# Altium PCB DIOT_Backplane.pcbdoc (part 1 of 11) (continued)
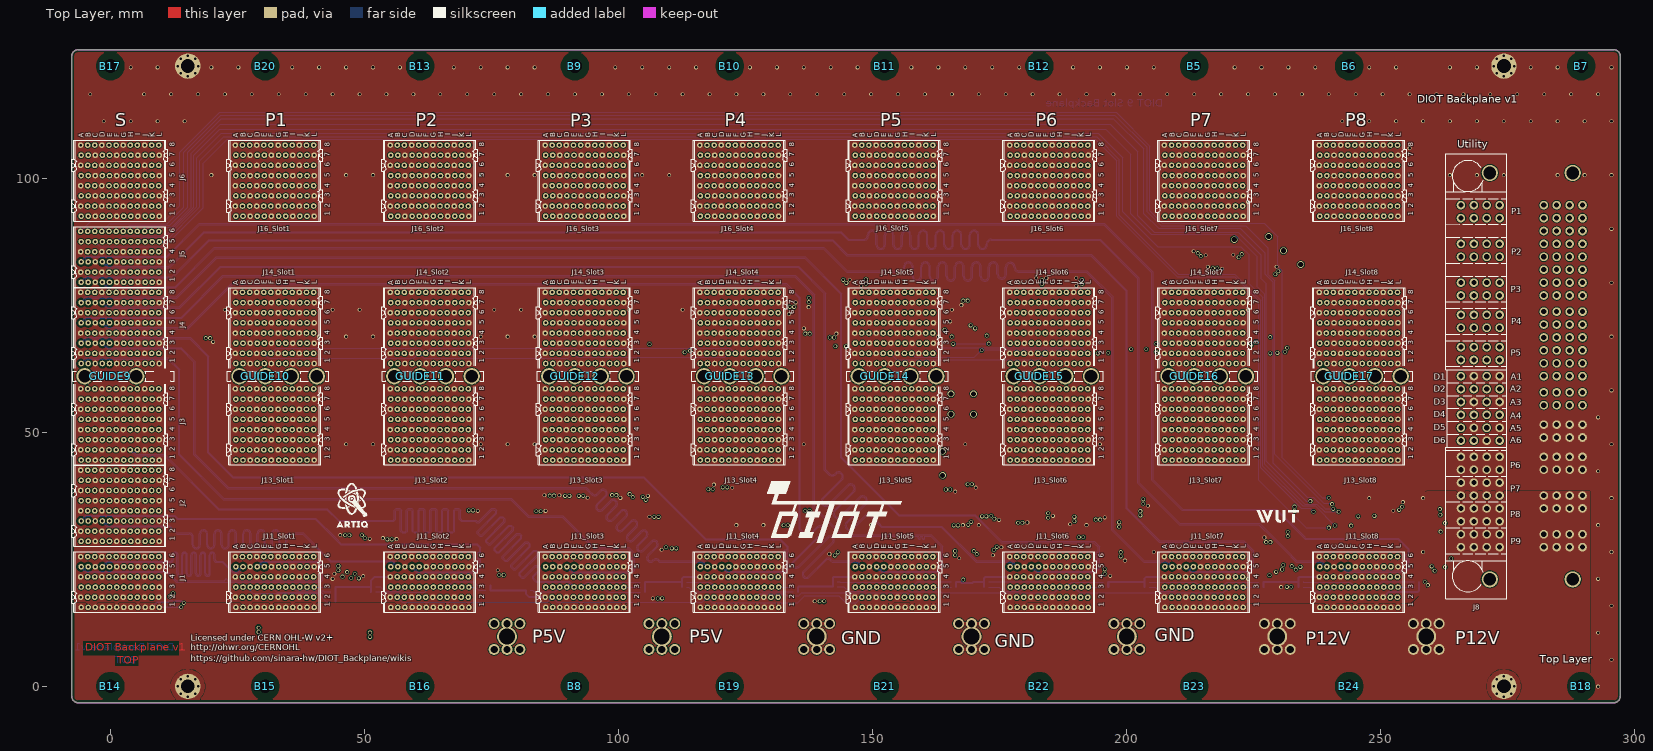
[diagram p0: Top Layer view]
## Classes and differential pairs (continued)
pad class ViaUnderSMD: J23_Slot1-A1 J23_Slot1-A2 J23_Slot1-A3 J23_Slot1-A4 J23_Slot1-A5 J23_Slot1-A6 J23_Slot1-A7 J23_Slot1-A8 J23_Slot1-B1 J23_Slot1-B2 J23_Slot1-B3 J23_Slot1-B4 J23_Slot1-B5 J23_Slot1-B6 J23_Slot1-B7 J23_Slot1-B8 J23_Slot1-C1 J23_Slot1-C2 J23_Slot1-C3 J23_Slot1-C4 J23_Slot1-C5 J23_Slot1-C6 J23_Slot1-C7 J23_Slot1-C8 J23_Slot1-D1 J23_Slot1-D2 J23_Slot1-D3 J23_Slot1-D4 J23_Slot1-D5 J23_Slot1-D6 J23_Slot1-D7 J23_Slot1-D8 J23_Slot1-E1 J23_Slot1-E2 J23_Slot1-E3 J23_Slot1-E4 J23_Slot1-E5 J23_Slot1-E6 J23_Slot1-E7 J23_Slot1-E8 J23_Slot1-F1 J23_Slot1-F2 J23_Slot1-F3 J23_Slot1-F4 J23_Slot1-F5 J23_Slot1-F6 J23_Slot1-F7 J23_Slot1-F8 J23_Slot1-G1 J23_Slot1-G2 J23_Slot1-G3 J23_Slot1-G4 J23_Slot1-G5 J23_Slot1-G6 J23_Slot1-G7 J23_Slot1-G8 J23_Slot1-H1 J23_Slot1-H2 J23_Slot1-H3 J23_Slot1-H4 J23_Slot1-H5 J23_Slot1-H6 J23_Slot1-H7 J23_Slot1-H8 J23_Slot1-I1 J23_Slot1-I2 J23_Slot1-I3 J23_Slot1-I4 J23_Slot1-I5 J23_Slot1-I6 J23_Slot1-I7 J23_Slot1-I8 J23_Slot1-J1 J23_Slot1-J2 J23_Slot1-J3 J23_Slot1-J4 J23_Slot1-J5 J23_Slot1-J6 J23_Slot1-J7 J23_Slot1-J8 J23_Slot1-K1 J23_Slot1-K2 J23_Slot1-K3 J23_Slot1-K4 J23_Slot1-K5 J23_Slot1-K6 J23_Slot1-K7 J23_Slot1-K8 J23_Slot1-L1 J23_Slot1-L2 J23_Slot1-L3 J23_Slot1-L4 J23_Slot1-L5 J23_Slot1-L6 J23_Slot1-L7 J23_Slot1-L8 J23_Slot2-A1 J23_Slot2-A2 J23_Slot2-A3 J23_Slot2-A4 J23_Slot2-A5 J23_Slot2-A6 J23_Slot2-A7 J23_Slot2-A8 J23_Slot2-B1 J23_Slot2-B2 J23_Slot2-B3 J23_Slot2-B4 J23_Slot2-B5 J23_Slot2-B6 J23_Slot2-B7 J23_Slot2-B8 J23_Slot2-C1 J23_Slot2-C2 J23_Slot2-C3 J23_Slot2-C4 J23_Slot2-C5 J23_Slot2-C6 J23_Slot2-C7 J23_Slot2-C8 J23_Slot2-D1 J23_Slot2-D2 J23_Slot2-D3 J23_Slot2-D4 J23_Slot2-D5 J23_Slot2-D6 J23_Slot2-D7 J23_Slot2-D8 J23_Slot2-E1 J23_Slot2-E2 J23_Slot2-E3 J23_Slot2-E4 J23_Slot2-E5 J23_Slot2-E6 J23_Slot2-E7 J23_Slot2-E8 J23_Slot2-F1 J23_Slot2-F2 J23_Slot2-F3 J23_Slot2-F4 J23_Slot2-F5 J23_Slot2-F6 J23_Slot2-F7 J23_Slot2-F8 J23_Slot2-G1 J23_Slot2-G2 J23_Slot2-G3 J23_Slot2-G4 J23_Slot2-G5 J23_Slot2-G6 J23_Slot2-G7 J23_Slot2-G8 J23_Slot2-H1 J23_Slot2-H2 J23_Slot2-H3 J23_Slot2-H4 J23_Slot2-H5 J23_Slot2-H6 J23_Slot2-H7 J23_Slot2-H8 J23_Slot2-I1 J23_Slot2-I2 J23_Slot2-I3 J23_Slot2-I4 J23_Slot2-I5 J23_Slot2-I6 J23_Slot2-I7 J23_Slot2-I8 J23_Slot2-J1 J23_Slot2-J2 J23_Slot2-J3 J23_Slot2-J4 J23_Slot2-J5 J23_Slot2-J6 J23_Slot2-J7 J23_Slot2-J8 J23_Slot2-K1 J23_Slot2-K2 J23_Slot2-K3 J23_Slot2-K4 J23_Slot2-K5 J23_Slot2-K6 J23_Slot2-K7 J23_Slot2-K8 J23_Slot2-L1 J23_Slot2-L2 J23_Slot2-L3 J23_Slot2-L4 J23_Slot2-L5 J23_Slot2-L6 J23_Slot2-L7 J23_Slot2-L8 J23_Slot3-A1 J23_Slot3-A2 J23_Slot3-A3 J23_Slot3-A4 J23_Slot3-A5 J23_Slot3-A6 J23_Slot3-A7 J23_Slot3-A8 J23_Slot3-B1 J23_Slot3-B2 J23_Slot3-B3 J23_Slot3-B4 J23_Slot3-B5 J23_Slot3-B6 J23_Slot3-B7 J23_Slot3-B8 J23_Slot3-C1 J23_Slot3-C2 J23_Slot3-C3 J23_Slot3-C4 J23_Slot3-C5 J23_Slot3-C6 J23_Slot3-C7 J23_Slot3-C8 J23_Slot3-D1 J23_Slot3-D2 J23_Slot3-D3 J23_Slot3-D4 J23_Slot3-D5 J23_Slot3-D6 J23_Slot3-D7 J23_Slot3-D8 J23_Slot3-E1 J23_Slot3-E2 J23_Slot3-E3 J23_Slot3-E4 J23_Slot3-E5 J23_Slot3-E6 J23_Slot3-E7 J23_Slot3-E8 J23_Slot3-F1 J23_Slot3-F2 J23_Slot3-F3 J23_Slot3-F4 J23_Slot3-F5 J23_Slot3-F6 J23_Slot3-F7 J23_Slot3-F8 J23_Slot3-G1 J23_Slot3-G2 J23_Slot3-G3 J23_Slot3-G4 J23_Slot3-G5 J23_Slot3-G6 J23_Slot3-G7 J23_Slot3-G8 J23_Slot3-H1 J23_Slot3-H2 J23_Slot3-H3 J23_Slot3-H4 J23_Slot3-H5 J23_Slot3-H6 J23_Slot3-H7 J23_Slot3-H8 J23_Slot3-I1 J23_Slot3-I2 J23_Slot3-I3 J23_Slot3-I4 J23_Slot3-I5 J23_Slot3-I6 J23_Slot3-I7 J23_Slot3-I8 J23_Slot3-J1 J23_Slot3-J2 J23_Slot3-J3 J23_Slot3-J4 J23_Slot3-J5 J23_Slot3-J6 J23_Slot3-J7 J23_Slot3-J8 J23_Slot3-K1 J23_Slot3-K2 J23_Slot3-K3 J23_Slot3-K4 J23_Slot3-K5 J23_Slot3-K6 J23_Slot3-K7 J23_Slot3-K8 J23_Slot3-L1 J23_Slot3-L2 J23_Slot3-L3 J23_Slot3-L4 J23_Slot3-L5 J23_Slot3-L6 J23_Slot3-L7 J23_Slot3-L8 J23_Slot4-A1 J23_Slot4-A2 J23_Slot4-A3 J23_Slot4-A4 J23_Slot4-A5 J23_Slot4-A6 J23_Slot4-A7 J23_Slot4-A8 J23_Slot4-B1 J23_Slot4-B2 J23_Slot4-B3 J23_Slot4-B4 J23_Slot4-B5 J23_Slot4-B6 J23_Slot4-B7 J23_Slot4-B8 J23_Slot4-C1 J23_Slot4-C2 J23_Slot4-C3 J23_Slot4-C4 J23_Slot4-C5 J23_Slot4-C6 J23_Slot4-C7 J23_Slot4-C8 J23_Slot4-D1 J23_Slot4-D2 J23_Slot4-D3 J23_Slot4-D4 J23_Slot4-D5 J23_Slot4-D6 J23_Slot4-D7 J23_Slot4-D8 J23_Slot4-E1 J23_Slot4-E2 J23_Slot4-E3 J23_Slot4-E4 J23_Slot4-E5 J23_Slot4-E6 J23_Slot4-E7 J23_Slot4-E8 J23_Slot4-F1 J23_Slot4-F2 J23_Slot4-F3 J23_Slot4-F4 J23_Slot4-F5 J23_Slot4-F6 J23_Slot4-F7 J23_Slot4-F8 J23_Slot4-G1 J23_Slot4-G2 J23_Slot4-G3 J23_Slot4-G4 J23_Slot4-G5 J23_Slot4-G6 J23_Slot4-G7 J23_Slot4-G8 J23_Slot4-H1 J23_Slot4-H2 J23_Slot4-H3 J23_Slot4-H4 J23_Slot4-H5 J23_Slot4-H6 J23_Slot4-H7 J23_Slot4-H8 J23_Slot4-I1 J23_Slot4-I2 J23_Slot4-I3 J23_Slot4-I4 J23_Slot4-I5 J23_Slot4-I6 J23_Slot4-I7 J23_Slot4-I8 J23_Slot4-J1 J23_Slot4-J2 J23_Slot4-J3 J23_Slot4-J4 J23_Slot4-J5 J23_Slot4-J6 J23_Slot4-J7 J23_Slot4-J8 J23_Slot4-K1 J23_Slot4-K2 J23_Slot4-K3 J23_Slot4-K4 J23_Slot4-K5 J23_Slot4-K6 J23_Slot4-K7 J23_Slot4-K8 J23_Slot4-L1 J23_Slot4-L2 J23_Slot4-L3 J23_Slot4-L4 J23_Slot4-L5 J23_Slot4-L6 J23_Slot4-L7 J23_Slot4-L8 J23_Slot5-A1 J23_Slot5-A2 J23_Slot5-A3 J23_Slot5-A4 J23_Slot5-A5 J23_Slot5-A6 J23_Slot5-A7 J23_Slot5-A8 J23_Slot5-B1 J23_Slot5-B2 J23_Slot5-B3 J23_Slot5-B4 J23_Slot5-B5 J23_Slot5-B6 J23_Slot5-B7 J23_Slot5-B8 J23_Slot5-C1 J23_Slot5-C2 J23_Slot5-C3 J23_Slot5-C4 J23_Slot5-C5 J23_Slot5-C6 J23_Slot5-C7 J23_Slot5-C8 J23_Slot5-D1 J23_Slot5-D2 J23_Slot5-D3 J23_Slot5-D4 J23_Slot5-D5 J23_Slot5-D6 J23_Slot5-D7 J23_Slot5-D8 J23_Slot5-E1 J23_Slot5-E2 J23_Slot5-E3 J23_Slot5-E4 J23_Slot5-E5 J23_Slot5-E6 J23_Slot5-E7 J23_Slot5-E8 J23_Slot5-F1 J23_Slot5-F2 J23_Slot5-F3 J23_Slot5-F4 J23_Slot5-F5 J23_Slot5-F6 J23_Slot5-F7 J23_Slot5-F8 J23_Slot5-G1 J23_Slot5-G2 J23_Slot5-G3 J23_Slot5-G4 J23_Slot5-G5 J23_Slot5-G6 J23_Slot5-G7 J23_Slot5-G8 J23_Slot5-H1 J23_Slot5-H2 J23_Slot5-H3 J23_Slot5-H4 J23_Slot5-H5 J23_Slot5-H6 J23_Slot5-H7 J23_Slot5-H8 J23_Slot5-I1 J23_Slot5-I2 J23_Slot5-I3 J23_Slot5-I4 J23_Slot5-I5 J23_Slot5-I6 J23_Slot5-I7 J23_Slot5-I8 J23_Slot5-J1 J23_Slot5-J2 J23_Slot5-J3 J23_Slot5-J4 J23_Slot5-J5 J23_Slot5-J6 J23_Slot5-J7 J23_Slot5-J8 J23_Slot5-K1 J23_Slot5-K2 J23_Slot5-K3 J23_Slot5-K4 J23_Slot5-K5 J23_Slot5-K6 J23_Slot5-K7 J23_Slot5-K8 J23_Slot5-L1 J23_Slot5-L2 J23_Slot5-L3 J23_Slot5-L4 J23_Slot5-L5 J23_Slot5-L6 J23_Slot5-L7 J23_Slot5-L8 J23_Slot6-A1 J23_Slot6-A2 J23_Slot6-A3 J23_Slot6-A4 J23_Slot6-A5 J23_Slot6-A6 J23_Slot6-A7 J23_Slot6-A8 J23_Slot6-B1 J23_Slot6-B2 J23_Slot6-B3 J23_Slot6-B4 J23_Slot6-B5 J23_Slot6-B6 J23_Slot6-B7 J23_Slot6-B8 J23_Slot6-C1 J23_Slot6-C2 J23_Slot6-C3 J23_Slot6-C4 J23_Slot6-C5 J23_Slot6-C6 J23_Slot6-C7 J23_Slot6-C8 J23_Slot6-D1 J23_Slot6-D2 J23_Slot6-D3 J23_Slot6-D4 J23_Slot6-D5 J23_Slot6-D6 J23_Slot6-D7 J23_Slot6-D8 J23_Slot6-E1 J23_Slot6-E2 J23_Slot6-E3 J23_Slot6-E4 J23_Slot6-E5 J23_Slot6-E6 J23_Slot6-E7 J23_Slot6-E8 J23_Slot6-F1 J23_Slot6-F2 J23_Slot6-F3 J23_Slot6-F4 J23_Slot6-F5 J23_Slot6-F6 J23_Slot6-F7 J23_Slot6-F8 J23_Slot6-G1 J23_Slot6-G2 J23_Slot6-G3 J23_Slot6-G4 J23_Slot6-G5 J23_Slot6-G6 J23_Slot6-G7 J23_Slot6-G8 J23_Slot6-H1 J23_Slot6-H2 J23_Slot6-H3 J23_Slot6-H4 J23_Slot6-H5 J23_Slot6-H6 J23_Slot6-H7 J23_Slot6-H8 J23_Slot6-I1 J23_Slot6-I2 J23_Slot6-I3 J23_Slot6-I4 J23_Slot6-I5 J23_Slot6-I6 J23_Slot6-I7 J23_Slot6-I8 J23_Slot6-J1 J23_Slot6-J2 J23_Slot6-J3 J23_Slot6-J4 J23_Slot6-J5 J23_Slot6-J6 J23_Slot6-J7 J23_Slot6-J8 J23_Slot6-K1 J23_Slot6-K2 J23_Slot6-K3 J23_Slot6-K4 J23_Slot6-K5 J23_Slot6-K6 J23_Slot6-K7 J23_Slot6-K8 J23_Slot6-L1 J23_Slot6-L2 J23_Slot6-L3 J23_Slot6-L4 J23_Slot6-L5 J23_Slot6-L6 J23_Slot6-L7 J23_Slot6-L8 J23_Slot7-A1 J23_Slot7-A2 J23_Slot7-A3 J23_Slot7-A4 J23_Slot7-A5 J23_Slot7-A6 J23_Slot7-A7 J23_Slot7-A8 J23_Slot7-B1 J23_Slot7-B2 J23_Slot7-B3 J23_Slot7-B4 J23_Slot7-B5 J23_Slot7-B6 J23_Slot7-B7 J23_Slot7-B8 J23_Slot7-C1 J23_Slot7-C2 J23_Slot7-C3 J23_Slot7-C4 J23_Slot7-C5 J23_Slot7-C6 J23_Slot7-C7 J23_Slot7-C8 J23_Slot7-D1 J23_Slot7-D2 J23_Slot7-D3 J23_Slot7-D4 J23_Slot7-D5 J23_Slot7-D6 J23_Slot7-D7 J23_Slot7-D8 J23_Slot7-E1 J23_Slot7-E2 J23_Slot7-E3 J23_Slot7-E4 J23_Slot7-E5 J23_Slot7-E6 J23_Slot7-E7 J23_Slot7-E8 J23_Slot7-F1 J23_Slot7-F2 J23_Slot7-F3 J23_Slot7-F4 J23_Slot7-F5 J23_Slot7-F6 J23_Slot7-F7 J23_Slot7-F8 J23_Slot7-G1 J23_Slot7-G2 J23_Slot7-G3 J23_Slot7-G4 J23_Slot7-G5 J23_Slot7-G6 J23_Slot7-G7 J23_Slot7-G8 J23_Slot7-H1 J23_Slot7-H2 J23_Slot7-H3 J23_Slot7-H4 J23_Slot7-H5 J23_Slot7-H6 J23_Slot7-H7 J23_Slot7-H8 J23_Slot7-I1 J23_Slot7-I2 J23_Slot7-I3 J23_Slot7-I4 J23_Slot7-I5 J23_Slot7-I6 J23_Slot7-I7 J23_Slot7-I8 J23_Slot7-J1 J23_Slot7-J2 J23_Slot7-J3 J23_Slot7-J4 J23_Slot7-J5 J23_Slot7-J6 J23_Slot7-J7 J23_Slot7-J8 J23_Slot7-K1 J23_Slot7-K2 J23_Slot7-K3 J23_Slot7-K4 J23_Slot7-K5 J23_Slot7-K6 J23_Slot7-K7 J23_Slot7-K8 J23_Slot7-L1 J23_Slot7-L2 J23_Slot7-L3 J23_Slot7-L4 J23_Slot7-L5 J23_Slot7-L6 J23_Slot7-L7 J23_Slot7-L8 J24_Slot1-A1 J24_Slot1-A2 J24_Slot1-A3 J24_Slot1-A4 J24_Slot1-A5 J24_Slot1-A6 J24_Slot1-A7 J24_Slot1-A8 J24_Slot1-B1 J24_Slot1-B2 J24_Slot1-B3 J24_Slot1-B4 J24_Slot1-B5 J24_Slot1-B6 J24_Slot1-B7 J24_Slot1-B8 J24_Slot1-C1 J24_Slot1-C2 J24_Slot1-C3 J24_Slot1-C4 J24_Slot1-C5 J24_Slot1-C6 J24_Slot1-C7 J24_Slot1-C8 J24_Slot1-D1 J24_Slot1-D2 J24_Slot1-D3 J24_Slot1-D4 J24_Slot1-D5 J24_Slot1-D6 J24_Slot1-D7 J24_Slot1-D8 J24_Slot1-E1 J24_Slot1-E2 J24_Slot1-E3 J24_Slot1-E4 J24_Slot1-E5 J24_Slot1-E6 J24_Slot1-E7 J24_Slot1-E8 J24_Slot1-F1 J24_Slot1-F2 J24_Slot1-F3 J24_Slot1-F4 J24_Slot1-F5 J24_Slot1-F6 J24_Slot1-F7 J24_Slot1-F8 J24_Slot1-G1 J24_Slot1-G2 J24_Slot1-G3 J24_Slot1-G4 J24_Slot1-G5 J24_Slot1-G6 J24_Slot1-G7 J24_Slot1-G8 J24_Slot1-H1 J24_Slot1-H2 J24_Slot1-H3 J24_Slot1-H4 J24_Slot1-H5 J24_Slot1-H6 J24_Slot1-H7 J24_Slot1-H8 J24_Slot1-I1 J24_Slot1-I2 J24_Slot1-I3 J24_Slot1-I4 J24_Slot1-I5 J24_Slot1-I6 J24_Slot1-I7 J24_Slot1-I8 J24_Slot1-J1 J24_Slot1-J2 J24_Slot1-J3 J24_Slot1-J4 J24_Slot1-J5 J24_Slot1-J6 J24_Slot1-J7 J24_Slot1-J8 J24_Slot1-K1 J24_Slot1-K2 J24_Slot1-K3 J24_Slot1-K4 J24_Slot1-K5 J24_Slot1-K6 J24_Slot1-K7 J24_Slot1-K8 J24_Slot1-L1 J24_Slot1-L2 J24_Slot1-L3 J24_Slot1-L4 J24_Slot1-L5 J24_Slot1-L6 J24_Slot1-L7 J24_Slot1-L8 J24_Slot2-A1 J24_Slot2-A2 J24_Slot2-A3 J24_Slot2-A4 J24_Slot2-A5 J24_Slot2-A6 J24_Slot2-A7 J24_Slot2-A8 J24_Slot2-B1 J24_Slot2-B2 J24_Slot2-B3 J24_Slot2-B4 J24_Slot2-B5 J24_Slot2-B6 J24_Slot2-B7 J24_Slot2-B8 J24_Slot2-C1 J24_Slot2-C2 J24_Slot2-C3 J24_Slot2-C4 J24_Slot2-C5 J24_Slot2-C6 J24_Slot2-C7 J24_Slot2-C8 J24_Slot2-D1 J24_Slot2-D2 J24_Slot2-D3 J24_Slot2-D4 J24_Slot2-D5 J24_Slot2-D6 J24_Slot2-D7 J24_Slot2-D8 J24_Slot2-E1 J24_Slot2-E2 J24_Slot2-E3 J24_Slot2-E4 J24_Slot2-E5 J24_Slot2-E6 J24_Slot2-E7 J24_Slot2-E8 J24_Slot2-F1 J24_Slot2-F2 J24_Slot2-F3 J24_Slot2-F4 J24_Slot2-F5 J24_Slot2-F6 J24_Slot2-F7 J24_Slot2-F8 J24_Slot2-G1 J24_Slot2-G2 J24_Slot2-G3 J24_Slot2-G4 J24_Slot2-G5 J24_Slot2-G6 J24_Slot2-G7 J24_Slot2-G8 J24_Slot2-H1 J24_Slot2-H2 J24_Slot2-H3 J24_Slot2-H4 J24_Slot2-H5 J24_Slot2-H6 J24_Slot2-H7 J24_Slot2-H8 J24_Slot2-I1 J24_Slot2-I2 J24_Slot2-I3 J24_Slot2-I4 J24_Slot2-I5 J24_Slot2-I6 J24_Slot2-I7 J24_Slot2-I8 J24_Slot2-J1 J24_Slot2-J2 J24_Slot2-J3 J24_Slot2-J4 J24_Slot2-J5 J24_Slot2-J6 J24_Slot2-J7 J24_Slot2-J8 J24_Slot2-K1 J24_Slot2-K2 J24_Slot2-K3 J24_Slot2-K4 J24_Slot2-K5 J24_Slot2-K6 J24_Slot2-K7 J24_Slot2-K8 J24_Slot2-L1 J24_Slot2-L2 J24_Slot2-L3 J24_Slot2-L4 J24_Slot2-L5 J24_Slot2-L6 J24_Slot2-L7 J24_Slot2-L8 J24_Slot3-A1 J24_Slot3-A2 J24_Slot3-A3 J24_Slot3-A4 J24_Slot3-A5 J24_Slot3-A6 J24_Slot3-A7 J24_Slot3-A8 J24_Slot3-B1 J24_Slot3-B2 J24_Slot3-B3 J24_Slot3-B4 J24_Slot3-B5 J24_Slot3-B6 J24_Slot3-B7 J24_Slot3-B8 J24_Slot3-C1 J24_Slot3-C2 J24_Slot3-C3 J24_Slot3-C4 J24_Slot3-C5 J24_Slot3-C6 J24_Slot3-C7 J24_Slot3-C8 J24_Slot3-D1 J24_Slot3-D2 J24_Slot3-D3 J24_Slot3-D4 J24_Slot3-D5 J24_Slot3-D6 J24_Slot3-D7 J24_Slot3-D8 J24_Slot3-E1 J24_Slot3-E2 J24_Slot3-E3 J24_Slot3-E4 J24_Slot3-E5 J24_Slot3-E6 J24_Slot3-E7 J24_Slot3-E8 J24_Slot3-F1 J24_Slot3-F2 J24_Slot3-F3 J24_Slot3-F4 J24_Slot3-F5 J24_Slot3-F6 J24_Slot3-F7 J24_Slot3-F8 J24_Slot3-G1 J24_Slot3-G2 J24_Slot3-G3 J24_Slot3-G4 J24_Slot3-G5 J24_Slot3-G6 J24_Slot3-G7 J24_Slot3-G8 J24_Slot3-H1 J24_Slot3-H2 J24_Slot3-H3 J24_Slot3-H4 J24_Slot3-H5 J24_Slot3-H6 J24_Slot3-H7 J24_Slot3-H8 J24_Slot3-I1 J24_Slot3-I2 J24_Slot3-I3 J24_Slot3-I4 J24_Slot3-I5 J24_Slot3-I6 J24_Slot3-I7 J24_Slot3-I8 J24_Slot3-J1 J24_Slot3-J2 J24_Slot3-J3 J24_Slot3-J4 J24_Slot3-J5 J24_Slot3-J6 J24_Slot3-J7 J24_Slot3-J8 J24_Slot3-K1 J24_Slot3-K2 J24_Slot3-K3 J24_Slot3-K4 J24_Slot3-K5 J24_Slot3-K6 J24_Slot3-K7 J24_Slot3-K8 J24_Slot3-L1 J24_Slot3-L2 J24_Slot3-L3 J24_Slot3-L4 J24_Slot3-L5 J24_Slot3-L6 J24_Slot3-L7 J24_Slot3-L8 J24_Slot4-A1 J24_Slot4-A2 J24_Slot4-A3 J24_Slot4-A4 J24_Slot4-A5 J24_Slot4-A6 J24_Slot4-A7 J24_Slot4-A8 J24_Slot4-B1 J24_Slot4-B2 J24_Slot4-B3 J24_Slot4-B4 J24_Slot4-B5 J24_Slot4-B6 J24_Slot4-B7 J24_Slot4-B8 J24_Slot4-C1 J24_Slot4-C2 J24_Slot4-C3 J24_Slot4-C4 J24_Slot4-C5 J24_Slot4-C6 J24_Slot4-C7 J24_Slot4-C8 J24_Slot4-D1 J24_Slot4-D2 J24_Slot4-D3 J24_Slot4-D4 J24_Slot4-D5 J24_Slot4-D6 J24_Slot4-D7 J24_Slot4-D8 J24_Slot4-E1 J24_Slot4-E2 J24_Slot4-E3 J24_Slot4-E4 J24_Slot4-E5 J24_Slot4-E6 J24_Slot4-E7 J24_Slot4-E8 J24_Slot4-F1 J24_Slot4-F2 J24_Slot4-F3 J24_Slot4-F4 J24_Slot4-F5 J24_Slot4-F6 J24_Slot4-F7 J24_Slot4-F8 J24_Slot4-G1 J24_Slot4-G2 J24_Slot4-G3 J24_Slot4-G4 J24_Slot4-G5 J24_Slot4-G6 J24_Slot4-G7 J24_Slot4-G8 J24_Slot4-H1 J24_Slot4-H2 J24_Slot4-H3 J24_Slot4-H4 J24_Slot4-H5 J24_Slot4-H6 J24_Slot4-H7 J24_Slot4-H8 J24_Slot4-I1 J24_Slot4-I2 J24_Slot4-I3 J24_Slot4-I4 J24_Slot4-I5 J24_Slot4-I6 J24_Slot4-I7 J24_Slot4-I8 J24_Slot4-J1 J24_Slot4-J2 J24_Slot4-J3 J24_Slot4-J4 J24_Slot4-J5 J24_Slot4-J6 J24_Slot4-J7 J24_Slot4-J8 J24_Slot4-K1 J24_Slot4-K2 J24_Slot4-K3 J24_Slot4-K4 J24_Slot4-K5 J24_Slot4-K6 J24_Slot4-K7 J24_Slot4-K8 J24_Slot4-L1 J24_Slot4-L2 J24_Slot4-L3 J24_Slot4-L4 J24_Slot4-L5 J24_Slot4-L6 J24_Slot4-L7 J24_Slot4-L8 J24_Slot5-A1 J24_Slot5-A2 J24_Slot5-A3 J24_Slot5-A4 J24_Slot5-A5 J24_Slot5-A6 J24_Slot5-A7 J24_Slot5-A8 J24_Slot5-B1 J24_Slot5-B2 J24_Slot5-B3 J24_Slot5-B4 J24_Slot5-B5 J24_Slot5-B6 J24_Slot5-B7 J24_Slot5-B8 J24_Slot5-C1 J24_Slot5-C2 J24_Slot5-C3 J24_Slot5-C4 J24_Slot5-C5 J24_Slot5-C6 J24_Slot5-C7 J24_Slot5-C8 J24_Slot5-D1 J24_Slot5-D2 J24_Slot5-D3 J24_Slot5-D4 J24_Slot5-D5 J24_Slot5-D6 J24_Slot5-D7 J24_Slot5-D8 J24_Slot5-E1 J24_Slot5-E2 J24_Slot5-E3 J24_Slot5-E4 J24_Slot5-E5 J24_Slot5-E6 J24_Slot5-E7 J24_Slot5-E8 J24_Slot5-F1 J24_Slot5-F2 J24_Slot5-F3 J24_Slot5-F4 J24_Slot5-F5 J24_Slot5-F6 J24_Slot5-F7 J24_Slot5-F8 J24_Slot5-G1 J24_Slot5-G2 J24_Slot5-G3 J24_Slot5-G4 J24_Slot5-G5 J24_Slot5-G6 J24_Slot5-G7 J24_Slot5-G8 J24_Slot5-H1 J24_Slot5-H2 J24_Slot5-H3 J24_Slot5-H4 J24_Slot5-H5 J24_Slot5-H6 J24_Slot5-H7 J24_Slot5-H8 J24_Slot5-I1 J24_Slot5-I2 J24_Slot5-I3 J24_Slot5-I4 J24_Slot5-I5 J24_Slot5-I6 J24_Slot5-I7 J24_Slot5-I8 J24_Slot5-J1 J24_Slot5-J2 J24_Slot5-J3 J24_Slot5-J4 J24_Slot5-J5 J24_Slot5-J6 J24_Slot5-J7 J24_Slot5-J8 J24_Slot5-K1 J24_Slot5-K2 J24_Slot5-K3 J24_Slot5-K4 J24_Slot5-K5 J24_Slot5-K6 J24_Slot5-K7 J24_Slot5-K8 J24_Slot5-L1 J24_Slot5-L2 J24_Slot5-L3 J24_Slot5-L4 J24_Slot5-L5 J24_Slot5-L6 J24_Slot5-L7 J24_Slot5-L8 J24_Slot6-A1 J24_Slot6-A2 J24_Slot6-A3 J24_Slot6-A4 J24_Slot6-A5 J24_Slot6-A6 J24_Slot6-A7 J24_Slot6-A8 J24_Slot6-B1 J24_Slot6-B2 J24_Slot6-B3 J24_Slot6-B4 J24_Slot6-B5 J24_Slot6-B6 J24_Slot6-B7 J24_Slot6-B8 J24_Slot6-C1 J24_Slot6-C2 J24_Slot6-C3 J24_Slot6-C4 J24_Slot6-C5 J24_Slot6-C6 J24_Slot6-C7 J24_Slot6-C8 J24_Slot6-D1 J24_Slot6-D2 J24_Slot6-D3 J24_Slot6-D4 J24_Slot6-D5 J24_Slot6-D6 J24_Slot6-D7 J24_Slot6-D8 J24_Slot6-E1 J24_Slot6-E2 J24_Slot6-E3 J24_Slot6-E4 J24_Slot6-E5 J24_Slot6-E6 J24_Slot6-E7 J24_Slot6-E8 J24_Slot6-F1 J24_Slot6-F2 J24_Slot6-F3 J24_Slot6-F4 J24_Slot6-F5 J24_Slot6-F6 J24_Slot6-F7 J24_Slot6-F8 J24_Slot6-G1 J24_Slot6-G2 J24_Slot6-G3 J24_Slot6-G4 J24_Slot6-G5 J24_Slot6-G6 J24_Slot6-G7 J24_Slot6-G8 J24_Slot6-H1 J24_Slot6-H2 J24_Slot6-H3 J24_Slot6-H4 J24_Slot6-H5 J24_Slot6-H6 J24_Slot6-H7 J24_Slot6-H8 J24_Slot6-I1 J24_Slot6-I2 J24_Slot6-I3 J24_Slot6-I4 J24_Slot6-I5 J24_Slot6-I6 J24_Slot6-I7 J24_Slot6-I8 J24_Slot6-J1 J24_Slot6-J2 J24_Slot6-J3 J24_Slot6-J4 J24_Slot6-J5 J24_Slot6-J6 J24_Slot6-J7 J24_Slot6-J8 J24_Slot6-K1 J24_Slot6-K2 J24_Slot6-K3 J24_Slot6-K4 J24_Slot6-K5 J24_Slot6-K6 J24_Slot6-K7 J24_Slot6-K8 J24_Slot6-L1 J24_Slot6-L2 J24_Slot6-L3 J24_Slot6-L4 J24_Slot6-L5 J24_Slot6-L6 J24_Slot6-L7 J24_Slot6-L8 J24_Slot7-A1 J24_Slot7-A2 J24_Slot7-A3 J24_Slot7-A4 J24_Slot7-A5 J24_Slot7-A6 J24_Slot7-A7 J24_Slot7-A8 J24_Slot7-B1 J24_Slot7-B2 J24_Slot7-B3 J24_Slot7-B4 J24_Slot7-B5 J24_Slot7-B6 J24_Slot7-B7 J24_Slot7-B8 J24_Slot7-C1 J24_Slot7-C2 J24_Slot7-C3 J24_Slot7-C4 J24_Slot7-C5 J24_Slot7-C6 J24_Slot7-C7 J24_Slot7-C8 J24_Slot7-D1 J24_Slot7-D2 J24_Slot7-D3 J24_Slot7-D4 J24_Slot7-D5 J24_Slot7-D6 J24_Slot7-D7 J24_Slot7-D8 J24_Slot7-E1 J24_Slot7-E2 J24_Slot7-E3 J24_Slot7-E4 J24_Slot7-E5 J24_Slot7-E6 J24_Slot7-E7 J24_Slot7-E8 J24_Slot7-F1 J24_Slot7-F2 J24_Slot7-F3 J24_Slot7-F4 J24_Slot7-F5 J24_Slot7-F6 J24_Slot7-F7 J24_Slot7-F8 J24_Slot7-G1 J24_Slot7-G2 J24_Slot7-G3 J24_Slot7-G4 J24_Slot7-G5 J24_Slot7-G6 J24_Slot7-G7 J24_Slot7-G8 J24_Slot7-H1 J24_Slot7-H2 J24_Slot7-H3 J24_Slot7-H4 J24_Slot7-H5 J24_Slot7-H6 J24_Slot7-H7 J24_Slot7-H8 J24_Slot7-I1 J24_Slot7-I2 J24_Slot7-I3 J24_Slot7-I4 J24_Slot7-I5 J24_Slot7-I6 J24_Slot7-I7 J24_Slot7-I8 J24_Slot7-J1 J24_Slot7-J2 J24_Slot7-J3 J24_Slot7-J4 J24_Slot7-J5 J24_Slot7-J6 J24_Slot7-J7 J24_Slot7-J8 J24_Slot7-K1 J24_Slot7-K2 J24_Slot7-K3 J24_Slot7-K4 J24_Slot7-K5 J24_Slot7-K6 J24_Slot7-K7 J24_Slot7-K8 J24_Slot7-L1 J24_Slot7-L2 J24_Slot7-L3 J24_Slot7-L4 J24_Slot7-L5 J24_Slot7-L6 J24_Slot7-L7 J24_Slot7-L8
net class 5_MGT: 5_MGT_Rx_N 5_MGT_Rx_P 5_MGT_Tx_N 5_MGT_Tx_P
net class 8_MGT: 8_MGT_Rx_N 8_MGT_Rx_P 8_MGT_Tx_N 8_MGT_Tx_P
net class 7_MGT: 7_MGT_Rx_N 7_MGT_Rx_P 7_MGT_Tx_N 7_MGT_Tx_P
net class 6_MGT: 6_MGT_Rx_N 6_MGT_Rx_P 6_MGT_Tx_N 6_MGT_Tx_P
net class 4_MGT: 4_MGT_Rx_N 4_MGT_Rx_P 4_MGT_Tx_N 4_MGT_Tx_P
net class 3_MGT: 3_MGT_Rx_N 3_MGT_Rx_P 3_MGT_Tx_N 3_MGT_Tx_P
net class 2_MGT: 2_MGT_Rx_N 2_MGT_Rx_P 2_MGT_Tx_N 2_MGT_Tx_P
net class 1_MGT: 1_MGT_Rx_N 1_MGT_Rx_P 1_MGT_Tx_N 1_MGT_Tx_P
net class SIGNAL: 1_DIFF_0_N 1_DIFF_0_P 1_DIFF_1_N 1_DIFF_1_P 1_DIFF_2_N 1_DIFF_2_P 1_DIFF_3_N 1_DIFF_3_P 1_DIFF_4_N 1_DIFF_4_P 1_DIFF_5_N 1_DIFF_5_P 1_DIFF_6_N 1_DIFF_6_P 1_DIFF_7_N 1_DIFF_7_P 1_DIFF_8_N 1_DIFF_8_P 1_DIFF_9_N 1_DIFF_9_P 1_DIFF_10_N 1_DIFF_10_P 1_DIFF_11_N 1_DIFF_11_P 1_DIFF_12_N 1_DIFF_12_P 1_DIFF_13_N 1_DIFF_13_P 1_DIFF_14_N 1_DIFF_14_P 1_DIFF_15_N 1_DIFF_15_P 2_DIFF_0_N 2_DIFF_0_P 2_DIFF_1_N 2_DIFF_1_P 2_DIFF_2_N 2_DIFF_2_P 2_DIFF_3_N 2_DIFF_3_P 2_DIFF_4_N 2_DIFF_4_P 2_DIFF_5_N 2_DIFF_5_P 2_DIFF_6_N 2_DIFF_6_P 2_DIFF_7_N 2_DIFF_7_P 2_DIFF_8_N 2_DIFF_8_P 2_DIFF_9_N 2_DIFF_9_P 2_DIFF_10_N 2_DIFF_10_P 2_DIFF_11_N 2_DIFF_11_P 2_DIFF_12_N 2_DIFF_12_P 2_DIFF_13_N 2_DIFF_13_P 2_DIFF_14_N 2_DIFF_14_P 2_DIFF_15_N 2_DIFF_15_P 3_DIFF_0_N 3_DIFF_0_P 3_DIFF_1_N 3_DIFF_1_P 3_DIFF_2_N 3_DIFF_2_P 3_DIFF_3_N 3_DIFF_3_P 3_DIFF_4_N 3_DIFF_4_P 3_DIFF_5_N 3_DIFF_5_P 3_DIFF_6_N 3_DIFF_6_P 3_DIFF_7_N 3_DIFF_7_P 3_DIFF_8_N 3_DIFF_8_P 3_DIFF_9_N 3_DIFF_9_P 3_DIFF_10_N 3_DIFF_10_P 3_DIFF_11_N 3_DIFF_11_P 3_DIFF_12_N 3_DIFF_12_P 3_DIFF_13_N 3_DIFF_13_P 3_DIFF_14_N 3_DIFF_14_P 3_DIFF_15_N 3_DIFF_15_P 4_DIFF_0_N 4_DIFF_0_P 4_DIFF_1_N 4_DIFF_1_P 4_DIFF_2_N 4_DIFF_2_P 4_DIFF_3_N 4_DIFF_3_P 4_DIFF_4_N 4_DIFF_4_P 4_DIFF_5_N 4_DIFF_5_P 4_DIFF_6_N 4_DIFF_6_P 4_DIFF_7_N 4_DIFF_7_P 4_DIFF_8_N 4_DIFF_8_P 4_DIFF_9_N 4_DIFF_9_P 4_DIFF_10_N 4_DIFF_10_P 4_DIFF_11_N 4_DIFF_11_P 4_DIFF_12_N 4_DIFF_12_P 4_DIFF_13_N 4_DIFF_13_P 4_DIFF_14_N 4_DIFF_14_P 4_DIFF_15_N 4_DIFF_15_P 5_DIFF_0_N 5_DIFF_0_P 5_DIFF_1_N 5_DIFF_1_P 5_DIFF_2_N 5_DIFF_2_P 5_DIFF_3_N 5_DIFF_3_P 5_DIFF_4_N 5_DIFF_4_P 5_DIFF_5_N 5_DIFF_5_P 5_DIFF_6_N 5_DIFF_6_P 5_DIFF_7_N 5_DIFF_7_P 5_DIFF_8_N 5_DIFF_8_P 5_DIFF_9_N 5_DIFF_9_P 5_DIFF_10_N 5_DIFF_10_P 5_DIFF_11_N 5_DIFF_11_P 5_DIFF_12_N 5_DIFF_12_P 5_DIFF_13_N 5_DIFF_13_P 5_DIFF_14_N 5_DIFF_14_P 5_DIFF_15_N 5_DIFF_15_P 6_DIFF_0_N 6_DIFF_0_P 6_DIFF_1_N 6_DIFF_1_P 6_DIFF_2_N 6_DIFF_2_P 6_DIFF_3_N 6_DIFF_3_P 6_DIFF_4_N 6_DIFF_4_P 6_DIFF_5_N 6_DIFF_5_P 6_DIFF_6_N 6_DIFF_6_P 6_DIFF_7_N 6_DIFF_7_P 6_DIFF_8_N 6_DIFF_8_P 6_DIFF_9_N 6_DIFF_9_P 6_DIFF_10_N 6_DIFF_10_P 6_DIFF_11_N 6_DIFF_11_P 6_DIFF_12_N 6_DIFF_12_P 6_DIFF_13_N 6_DIFF_13_P 6_DIFF_14_N 6_DIFF_14_P 6_DIFF_15_N 6_DIFF_15_P 7_DIFF_0_N 7_DIFF_0_P 7_DIFF_1_N 7_DIFF_1_P 7_DIFF_2_N 7_DIFF_2_P 7_DIFF_3_N 7_DIFF_3_P 7_DIFF_4_N 7_DIFF_4_P 7_DIFF_5_N 7_DIFF_5_P 7_DIFF_6_N 7_DIFF_6_P 7_DIFF_7_N 7_DIFF_7_P 7_DIFF_8_N 7_DIFF_8_P 7_DIFF_9_N 7_DIFF_9_P 7_DIFF_10_N 7_DIFF_10_P 7_DIFF_11_N 7_DIFF_11_P 7_DIFF_12_N 7_DIFF_12_P 7_DIFF_13_N 7_DIFF_13_P 7_DIFF_14_N 7_DIFF_14_P 7_DIFF_15_N 7_DIFF_15_P 8_DIFF_0_N 8_DIFF_0_P 8_DIFF_1_N 8_DIFF_1_P 8_DIFF_2_N 8_DIFF_2_P 8_DIFF_3_N 8_DIFF_3_P 8_DIFF_4_N 8_DIFF_4_P 8_DIFF_5_N 8_DIFF_5_P 8_DIFF_6_N 8_DIFF_6_P 8_DIFF_7_N 8_DIFF_7_P 8_DIFF_8_N 8_DIFF_8_P 8_DIFF_9_N 8_DIFF_9_P 8_DIFF_10_N 8_DIFF_10_P 8_DIFF_11_N 8_DIFF_11_P 8_DIFF_12_N 8_DIFF_12_P 8_DIFF_13_N 8_DIFF_13_P 8_DIFF_14_N 8_DIFF_14_P 8_DIFF_15_N 8_DIFF_15_P
net class MGT_Rx_Tx: 1_MGT_Rx_N 1_MGT_Rx_P 1_MGT_Tx_N 1_MGT_Tx_P 2_MGT_Rx_N 2_MGT_Rx_P 2_MGT_Tx_N 2_MGT_Tx_P 3_MGT_Rx_N 3_MGT_Rx_P 3_MGT_Tx_N 3_MGT_Tx_P 4_MGT_Rx_N 4_MGT_Rx_P 4_MGT_Tx_N 4_MGT_Tx_P 5_MGT_Rx_N 5_MGT_Rx_P 5_MGT_Tx_N 5_MGT_Tx_P 6_MGT_Rx_N 6_MGT_Rx_P 6_MGT_Tx_N 6_MGT_Tx_P 7_MGT_Rx_N 7_MGT_Rx_P 7_MGT_Tx_N 7_MGT_Tx_P 8_MGT_Rx_N 8_MGT_Rx_P 8_MGT_Tx_N 8_MGT_Tx_P
net class CLK: 1_CLK_N 1_CLK_P 2_CLK_N 2_CLK_P 3_CLK_N 3_CLK_P 4_CLK_N 4_CLK_P 5_CLK_N 5_CLK_P 6_CLK_N 6_CLK_P 7_CLK_N 7_CLK_P 8_CLK_N 8_CLK_P
differential pair class DIFF_SIGNAL: 1_DIFF_0 1_DIFF_1 1_DIFF_2 1_DIFF_3 1_DIFF_4 1_DIFF_5 1_DIFF_6 1_DIFF_7 1_DIFF_8 1_DIFF_9 1_DIFF_10 1_DIFF_11 1_DIFF_12 1_DIFF_13 1_DIFF_14 1_DIFF_15 2_DIFF_0 2_DIFF_1 2_DIFF_2 2_DIFF_3 2_DIFF_4 2_DIFF_5 2_DIFF_6 2_DIFF_7 2_DIFF_8 2_DIFF_9 2_DIFF_10 2_DIFF_11 2_DIFF_12 2_DIFF_13 2_DIFF_14 2_DIFF_15 3_DIFF_0 3_DIFF_1 3_DIFF_2 3_DIFF_3 3_DIFF_4 3_DIFF_5 3_DIFF_6 3_DIFF_7 3_DIFF_8 3_DIFF_9 3_DIFF_10 3_DIFF_11 3_DIFF_12 3_DIFF_13 3_DIFF_14 3_DIFF_15 4_DIFF_0 4_DIFF_1 4_DIFF_2 4_DIFF_3 4_DIFF_4 4_DIFF_5 4_DIFF_6 4_DIFF_7 4_DIFF_8 4_DIFF_9 4_DIFF_10 4_DIFF_11 4_DIFF_12 4_DIFF_13 4_DIFF_14 4_DIFF_15 5_DIFF_0 5_DIFF_1 5_DIFF_2 5_DIFF_3 5_DIFF_4 5_DIFF_5 5_DIFF_6 5_DIFF_7 5_DIFF_8 5_DIFF_9 5_DIFF_10 5_DIFF_11 5_DIFF_12 5_DIFF_13 5_DIFF_14 5_DIFF_15 6_DIFF_0 6_DIFF_1 6_DIFF_2 6_DIFF_3 6_DIFF_4 6_DIFF_5 6_DIFF_6 6_DIFF_7 6_DIFF_8 6_DIFF_9 6_DIFF_10 6_DIFF_11 6_DIFF_12 6_DIFF_13 6_DIFF_14 6_DIFF_15 7_DIFF_0 7_DIFF_1 7_DIFF_2 7_DIFF_3 7_DIFF_4 7_DIFF_5 7_DIFF_6 7_DIFF_7 7_DIFF_8 7_DIFF_9 7_DIFF_10 7_DIFF_11 7_DIFF_12 7_DIFF_13 7_DIFF_14 7_DIFF_15 8_DIFF_0 8_DIFF_1 8_DIFF_2 8_DIFF_3 8_DIFF_4 8_DIFF_5 8_DIFF_6 8_DIFF_7 8_DIFF_8 8_DIFF_9 8_DIFF_10 8_DIFF_11 8_DIFF_12 8_DIFF_13 8_DIFF_14 8_DIFF_15 DIFF_8A
differential pair class DIFF_MGT_Rx_Tx: 1_MGT_Rx 1_MGT_Tx 2_MGT_Rx 2_MGT_Tx 3_MGT_Rx 3_MGT_Tx 4_MGT_Rx 4_MGT_Tx 5_MGT_Rx 5_MGT_Tx 6_MGT_Rx 6_MGT_Tx 7_MGT_Rx 7_MGT_Tx 8_MGT_Rx 8_MGT_Tx
differential pair class DIFF_CLK: 1_CLK 2_CLK 3_CLK 4_CLK 5_CLK 6_CLK 7_CLK 8_CLK
channel class Slot_periph: "Peripheral Slot 1" "Peripheral Slot 2" "Peripheral Slot 3" "Peripheral Slot 4" "Peripheral Slot 5" "Peripheral Slot 6" "Peripheral Slot 7" "Peripheral Slot 8"
component class "System Slot P6": J6
component class "System Slot P1-P5": GUIDE10 GUIDE11 GUIDE12 GUIDE13 GUIDE14 GUIDE15 GUIDE16 GUIDE17 J1 J2 J3 J4 J5 NT1 NT2
component class Power: BUSH1 BUSH2 BUSH3 BUSH4 BUSH5 BUSH6 BUSH7 J7 J8
component class "Peripheral Slot 8": J11_Slot8 J13_Slot8 J14_Slot8 J16_Slot8 J23_Slot8 J24_Slot8
component class "Peripheral Slot 7": J11_Slot7 J13_Slot7 J14_Slot7 J16_Slot7 J23_Slot7 J24_Slot7
component class "Peripheral Slot 6": J11_Slot6 J13_Slot6 J14_Slot6 J16_Slot6 J23_Slot6 J24_Slot6
component class "Peripheral Slot 5": J11_Slot5 J13_Slot5 J14_Slot5 J16_Slot5 J23_Slot5 J24_Slot5
component class "Peripheral Slot 4": J11_Slot4 J13_Slot4 J14_Slot4 J16_Slot4 J23_Slot4 J24_Slot4
component class "Peripheral Slot 3": J11_Slot3 J13_Slot3 J14_Slot3 J16_Slot3 J23_Slot3 J24_Slot3
component class "Peripheral Slot 2": J11_Slot2 J13_Slot2 J14_Slot2 J16_Slot2 J23_Slot2 J24_Slot2
component class "Peripheral Slot 1": J11_Slot1 J13_Slot1 J14_Slot1 J16_Slot1 J23_Slot1 J24_Slot1
component class DIOT_Backplane: B1 B2 B3 B4 B5 B6 B7 B8 B9 B10 B11 B12 B13 B14 B15 B16 B17 B18 B19 B20 B21 B22 B23 B24 C1 C2 C3 C4 C5 C6 C7 C8 C9 C10 C11 C12 FTG1 FTG2 FTG3 GUIDE1 GUIDE2 GUIDE3 GUIDE4 GUIDE5 GUIDE6 GUIDE7 GUIDE8 GUIDE9 R1 R2 R3 R4 R5 R6 R7 R8 R9 R10 R11 R12 R13 R14 R15 R16 R17 R18 R19 R20
pad class "Pad Class Clearance 1": B1-1 B2-1 B3-1 B4-1
pad class "Pad Class Clearance 3": B5-1 B6-1 B7-1 B8-1 B9-1 B10-1 B11-1 B12-1 B13-1 B14-1 B15-1 B16-1 B17-1 B18-1 B19-1 B20-1 B21-1 B22-1 B23-1 B24-1
net class RTM_SHARED_BUS[0..7]: RTM_SHARED_BUS0 RTM_SHARED_BUS1 RTM_SHARED_BUS2 RTM_SHARED_BUS3 RTM_SHARED_BUS4 RTM_SHARED_BUS5 RTM_SHARED_BUS6 RTM_SHARED_BUS7
net class SHARED_BUS_[0..4]: SHARED_BUS_0 SHARED_BUS_1 SHARED_BUS_2 SHARED_BUS_3 SHARED_BUS_4
differential pair 8_DIFF_15: +8_DIFF_15_P -8_DIFF_15_N
differential pair 7_DIFF_15: +7_DIFF_15_P -7_DIFF_15_N
differential pair 6_DIFF_15: +6_DIFF_15_P -6_DIFF_15_N
differential pair 5_DIFF_15: +5_DIFF_15_P -5_DIFF_15_N
differential pair 4_DIFF_15: +4_DIFF_15_P -4_DIFF_15_N
differential pair 3_DIFF_15: +3_DIFF_15_P -3_DIFF_15_N
differential pair 2_DIFF_15: +2_DIFF_15_P -2_DIFF_15_N
differential pair 1_DIFF_15: +1_DIFF_15_P -1_DIFF_15_N
differential pair 7_DIFF_0: +7_DIFF_0_P -7_DIFF_0_N
differential pair 1_DIFF_7: +1_DIFF_7_P -1_DIFF_7_N
differential pair 8_MGT_Tx: +8_MGT_Tx_P -8_MGT_Tx_N
differential pair 8_MGT_Rx: +8_MGT_Rx_P -8_MGT_Rx_N
differential pair 8_DIFF_14: +8_DIFF_14_P -8_DIFF_14_N
differential pair 8_DIFF_13: +8_DIFF_13_P -8_DIFF_13_N
differential pair 8_DIFF_12: +8_DIFF_12_P -8_DIFF_12_N
differential pair 8_DIFF_11: +8_DIFF_11_P -8_DIFF_11_N
differential pair 8_DIFF_10: +8_DIFF_10_P -8_DIFF_10_N
differential pair 8_DIFF_9: +8_DIFF_9_P -8_DIFF_9_N
differential pair 8_DIFF_8: +8_DIFF_8_P -8_DIFF_8_N
differential pair 8_DIFF_7: +8_DIFF_7_P -8_DIFF_7_N
differential pair 8_DIFF_6: +8_DIFF_6_P -8_DIFF_6_N
differential pair 8_DIFF_5: +8_DIFF_5_P -8_DIFF_5_N
differential pair 8_DIFF_4: +8_DIFF_4_P -8_DIFF_4_N
differential pair 8_DIFF_3: +8_DIFF_3_P -8_DIFF_3_N
differential pair 8_DIFF_2: +8_DIFF_2_P -8_DIFF_2_N
differential pair 8_DIFF_1: +8_DIFF_1_P -8_DIFF_1_N
differential pair 8_DIFF_0: +8_DIFF_0_P -8_DIFF_0_N
differential pair 8_CLK: +8_CLK_P -8_CLK_N
differential pair 7_MGT_Tx: +7_MGT_Tx_P -7_MGT_Tx_N
differential pair 7_MGT_Rx: +7_MGT_Rx_P -7_MGT_Rx_N
differential pair 7_DIFF_14: +7_DIFF_14_P -7_DIFF_14_N
differential pair 7_DIFF_13: +7_DIFF_13_P -7_DIFF_13_N
differential pair 7_DIFF_12: +7_DIFF_12_P -7_DIFF_12_N
differential pair 7_DIFF_11: +7_DIFF_11_P -7_DIFF_11_N
differential pair 7_DIFF_10: +7_DIFF_10_P -7_DIFF_10_N
differential pair 7_DIFF_9: +7_DIFF_9_P -7_DIFF_9_N
differential pair 7_DIFF_8: +7_DIFF_8_P -7_DIFF_8_N
differential pair 7_DIFF_7: +7_DIFF_7_P -7_DIFF_7_N
differential pair 7_DIFF_6: +7_DIFF_6_P -7_DIFF_6_N
differential pair 7_DIFF_5: +7_DIFF_5_P -7_DIFF_5_N
differential pair 7_DIFF_4: +7_DIFF_4_P -7_DIFF_4_N
differential pair 7_DIFF_3: +7_DIFF_3_P -7_DIFF_3_N
differential pair 7_DIFF_2: +7_DIFF_2_P -7_DIFF_2_N
differential pair 7_DIFF_1: +7_DIFF_1_P -7_DIFF_1_N
differential pair 7_CLK: +7_CLK_P -7_CLK_N
differential pair 6_MGT_Tx: +6_MGT_Tx_P -6_MGT_Tx_N
differential pair 6_MGT_Rx: +6_MGT_Rx_P -6_MGT_Rx_N
differential pair 6_DIFF_14: +6_DIFF_14_P -6_DIFF_14_N
differential pair 6_DIFF_13: +6_DIFF_13_P -6_DIFF_13_N
differential pair 6_DIFF_12: +6_DIFF_12_P -6_DIFF_12_N
differential pair 6_DIFF_11: +6_DIFF_11_P -6_DIFF_11_N
differential pair 6_DIFF_10: +6_DIFF_10_P -6_DIFF_10_N
differential pair 6_DIFF_9: +6_DIFF_9_P -6_DIFF_9_N
differential pair 6_DIFF_8: +6_DIFF_8_P -6_DIFF_8_N
differential pair 6_DIFF_7: +6_DIFF_7_P -6_DIFF_7_N
differential pair 6_DIFF_6: +6_DIFF_6_P -6_DIFF_6_N
differential pair 6_DIFF_5: +6_DIFF_5_P -6_DIFF_5_N
differential pair 6_DIFF_4: +6_DIFF_4_P -6_DIFF_4_N
differential pair 6_DIFF_3: +6_DIFF_3_P -6_DIFF_3_N
differential pair 6_DIFF_2: +6_DIFF_2_P -6_DIFF_2_N
differential pair 6_DIFF_1: +6_DIFF_1_P -6_DIFF_1_N
differential pair 6_DIFF_0: +6_DIFF_0_P -6_DIFF_0_N
differential pair 6_CLK: +6_CLK_P -6_CLK_N
differential pair 5_MGT_Tx: +5_MGT_Tx_P -5_MGT_Tx_N
differential pair 5_MGT_Rx: +5_MGT_Rx_P -5_MGT_Rx_N
differential pair 5_DIFF_14: +5_DIFF_14_P -5_DIFF_14_N
differential pair 5_DIFF_13: +5_DIFF_13_P -5_DIFF_13_N
differential pair 5_DIFF_12: +5_DIFF_12_P -5_DIFF_12_N
differential pair 5_DIFF_11: +5_DIFF_11_P -5_DIFF_11_N
differential pair 5_DIFF_10: +5_DIFF_10_P -5_DIFF_10_N
differential pair 5_DIFF_9: +5_DIFF_9_P -5_DIFF_9_N
differential pair 5_DIFF_8: +5_DIFF_8_P -5_DIFF_8_N
differential pair 5_DIFF_7: +5_DIFF_7_P -5_DIFF_7_N
differential pair 5_DIFF_6: +5_DIFF_6_P -5_DIFF_6_N
differential pair 5_DIFF_5: +5_DIFF_5_P -5_DIFF_5_N
differential pair 5_DIFF_4: +5_DIFF_4_P -5_DIFF_4_N
differential pair 5_DIFF_3: +5_DIFF_3_P -5_DIFF_3_N
differential pair 5_DIFF_2: +5_DIFF_2_P -5_DIFF_2_N
differential pair 5_DIFF_1: +5_DIFF_1_P -5_DIFF_1_N
differential pair 5_DIFF_0: +5_DIFF_0_P -5_DIFF_0_N
differential pair 5_CLK: +5_CLK_P -5_CLK_N
differential pair 4_MGT_Tx: +4_MGT_Tx_P -4_MGT_Tx_N
differential pair 4_MGT_Rx: +4_MGT_Rx_P -4_MGT_Rx_N
differential pair 4_DIFF_14: +4_DIFF_14_P -4_DIFF_14_N
differential pair 4_DIFF_13: +4_DIFF_13_P -4_DIFF_13_N
differential pair 4_DIFF_12: +4_DIFF_12_P -4_DIFF_12_N
differential pair 4_DIFF_11: +4_DIFF_11_P -4_DIFF_11_N
differential pair 4_DIFF_10: +4_DIFF_10_P -4_DIFF_10_N
differential pair 4_DIFF_9: +4_DIFF_9_P -4_DIFF_9_N
differential pair 4_DIFF_8: +4_DIFF_8_P -4_DIFF_8_N
differential pair 4_DIFF_7: +4_DIFF_7_P -4_DIFF_7_N
differential pair 4_DIFF_6: +4_DIFF_6_P -4_DIFF_6_N
differential pair 4_DIFF_5: +4_DIFF_5_P -4_DIFF_5_N
differential pair 4_DIFF_4: +4_DIFF_4_P -4_DIFF_4_N
differential pair 4_DIFF_3: +4_DIFF_3_P -4_DIFF_3_N
differential pair 4_DIFF_2: +4_DIFF_2_P -4_DIFF_2_N
differential pair 4_DIFF_1: +4_DIFF_1_P -4_DIFF_1_N
differential pair 4_DIFF_0: +4_DIFF_0_P -4_DIFF_0_N
differential pair 4_CLK: +4_CLK_P -4_CLK_N
differential pair 3_MGT_Tx: +3_MGT_Tx_P -3_MGT_Tx_N
differential pair 3_MGT_Rx: +3_MGT_Rx_P -3_MGT_Rx_N
differential pair 3_DIFF_14: +3_DIFF_14_P -3_DIFF_14_N
differential pair 3_DIFF_13: +3_DIFF_13_P -3_DIFF_13_N
differential pair 3_DIFF_12: +3_DIFF_12_P -3_DIFF_12_N
differential pair 3_DIFF_11: +3_DIFF_11_P -3_DIFF_11_N
differential pair 3_DIFF_10: +3_DIFF_10_P -3_DIFF_10_N
differential pair 3_DIFF_9: +3_DIFF_9_P -3_DIFF_9_N
differential pair 3_DIFF_8: +3_DIFF_8_P -3_DIFF_8_N
differential pair 3_DIFF_7: +3_DIFF_7_P -3_DIFF_7_N
differential pair 3_DIFF_6: +3_DIFF_6_P -3_DIFF_6_N
differential pair 3_DIFF_5: +3_DIFF_5_P -3_DIFF_5_N
differential pair 3_DIFF_4: +3_DIFF_4_P -3_DIFF_4_N
differential pair 3_DIFF_3: +3_DIFF_3_P -3_DIFF_3_N
differential pair 3_DIFF_2: +3_DIFF_2_P -3_DIFF_2_N
differential pair 3_DIFF_1: +3_DIFF_1_P -3_DIFF_1_N
differential pair 3_DIFF_0: +3_DIFF_0_P -3_DIFF_0_N
differential pair 3_CLK: +3_CLK_P -3_CLK_N
differential pair 2_MGT_Tx: +2_MGT_Tx_P -2_MGT_Tx_N
differential pair 2_MGT_Rx: +2_MGT_Rx_P -2_MGT_Rx_N
differential pair 2_DIFF_14: +2_DIFF_14_P -2_DIFF_14_N
differential pair 2_DIFF_13: +2_DIFF_13_P -2_DIFF_13_N
differential pair 2_DIFF_12: +2_DIFF_12_P -2_DIFF_12_N
differential pair 2_DIFF_11: +2_DIFF_11_P -2_DIFF_11_N
differential pair 2_DIFF_10: +2_DIFF_10_P -2_DIFF_10_N
differential pair 2_DIFF_9: +2_DIFF_9_P -2_DIFF_9_N
differential pair 2_DIFF_8: +2_DIFF_8_P -2_DIFF_8_N
differential pair 2_DIFF_7: +2_DIFF_7_P -2_DIFF_7_N
differential pair 2_DIFF_6: +2_DIFF_6_P -2_DIFF_6_N
differential pair 2_DIFF_5: +2_DIFF_5_P -2_DIFF_5_N
differential pair 2_DIFF_4: +2_DIFF_4_P -2_DIFF_4_N
differential pair 2_DIFF_3: +2_DIFF_3_P -2_DIFF_3_N
differential pair 2_DIFF_2: +2_DIFF_2_P -2_DIFF_2_N
differential pair 2_DIFF_1: +2_DIFF_1_P -2_DIFF_1_N
differential pair 2_DIFF_0: +2_DIFF_0_P -2_DIFF_0_N
differential pair 2_CLK: +2_CLK_P -2_CLK_N
differential pair 1_MGT_Tx: +1_MGT_Tx_P -1_MGT_Tx_N
differential pair 1_MGT_Rx: +1_MGT_Rx_P -1_MGT_Rx_N
differential pair 1_DIFF_14: +1_DIFF_14_P -1_DIFF_14_N
differential pair 1_DIFF_13: +1_DIFF_13_P -1_DIFF_13_N
differential pair 1_DIFF_12: +1_DIFF_12_P -1_DIFF_12_N
differential pair 1_DIFF_11: +1_DIFF_11_P -1_DIFF_11_N
differential pair 1_DIFF_10: +1_DIFF_10_P -1_DIFF_10_N
differential pair 1_DIFF_9: +1_DIFF_9_P -1_DIFF_9_N
differential pair 1_DIFF_8: +1_DIFF_8_P -1_DIFF_8_N